# Altium PCB BMS_Slave_back.PcbDoc (part 1 of 2) (continued)
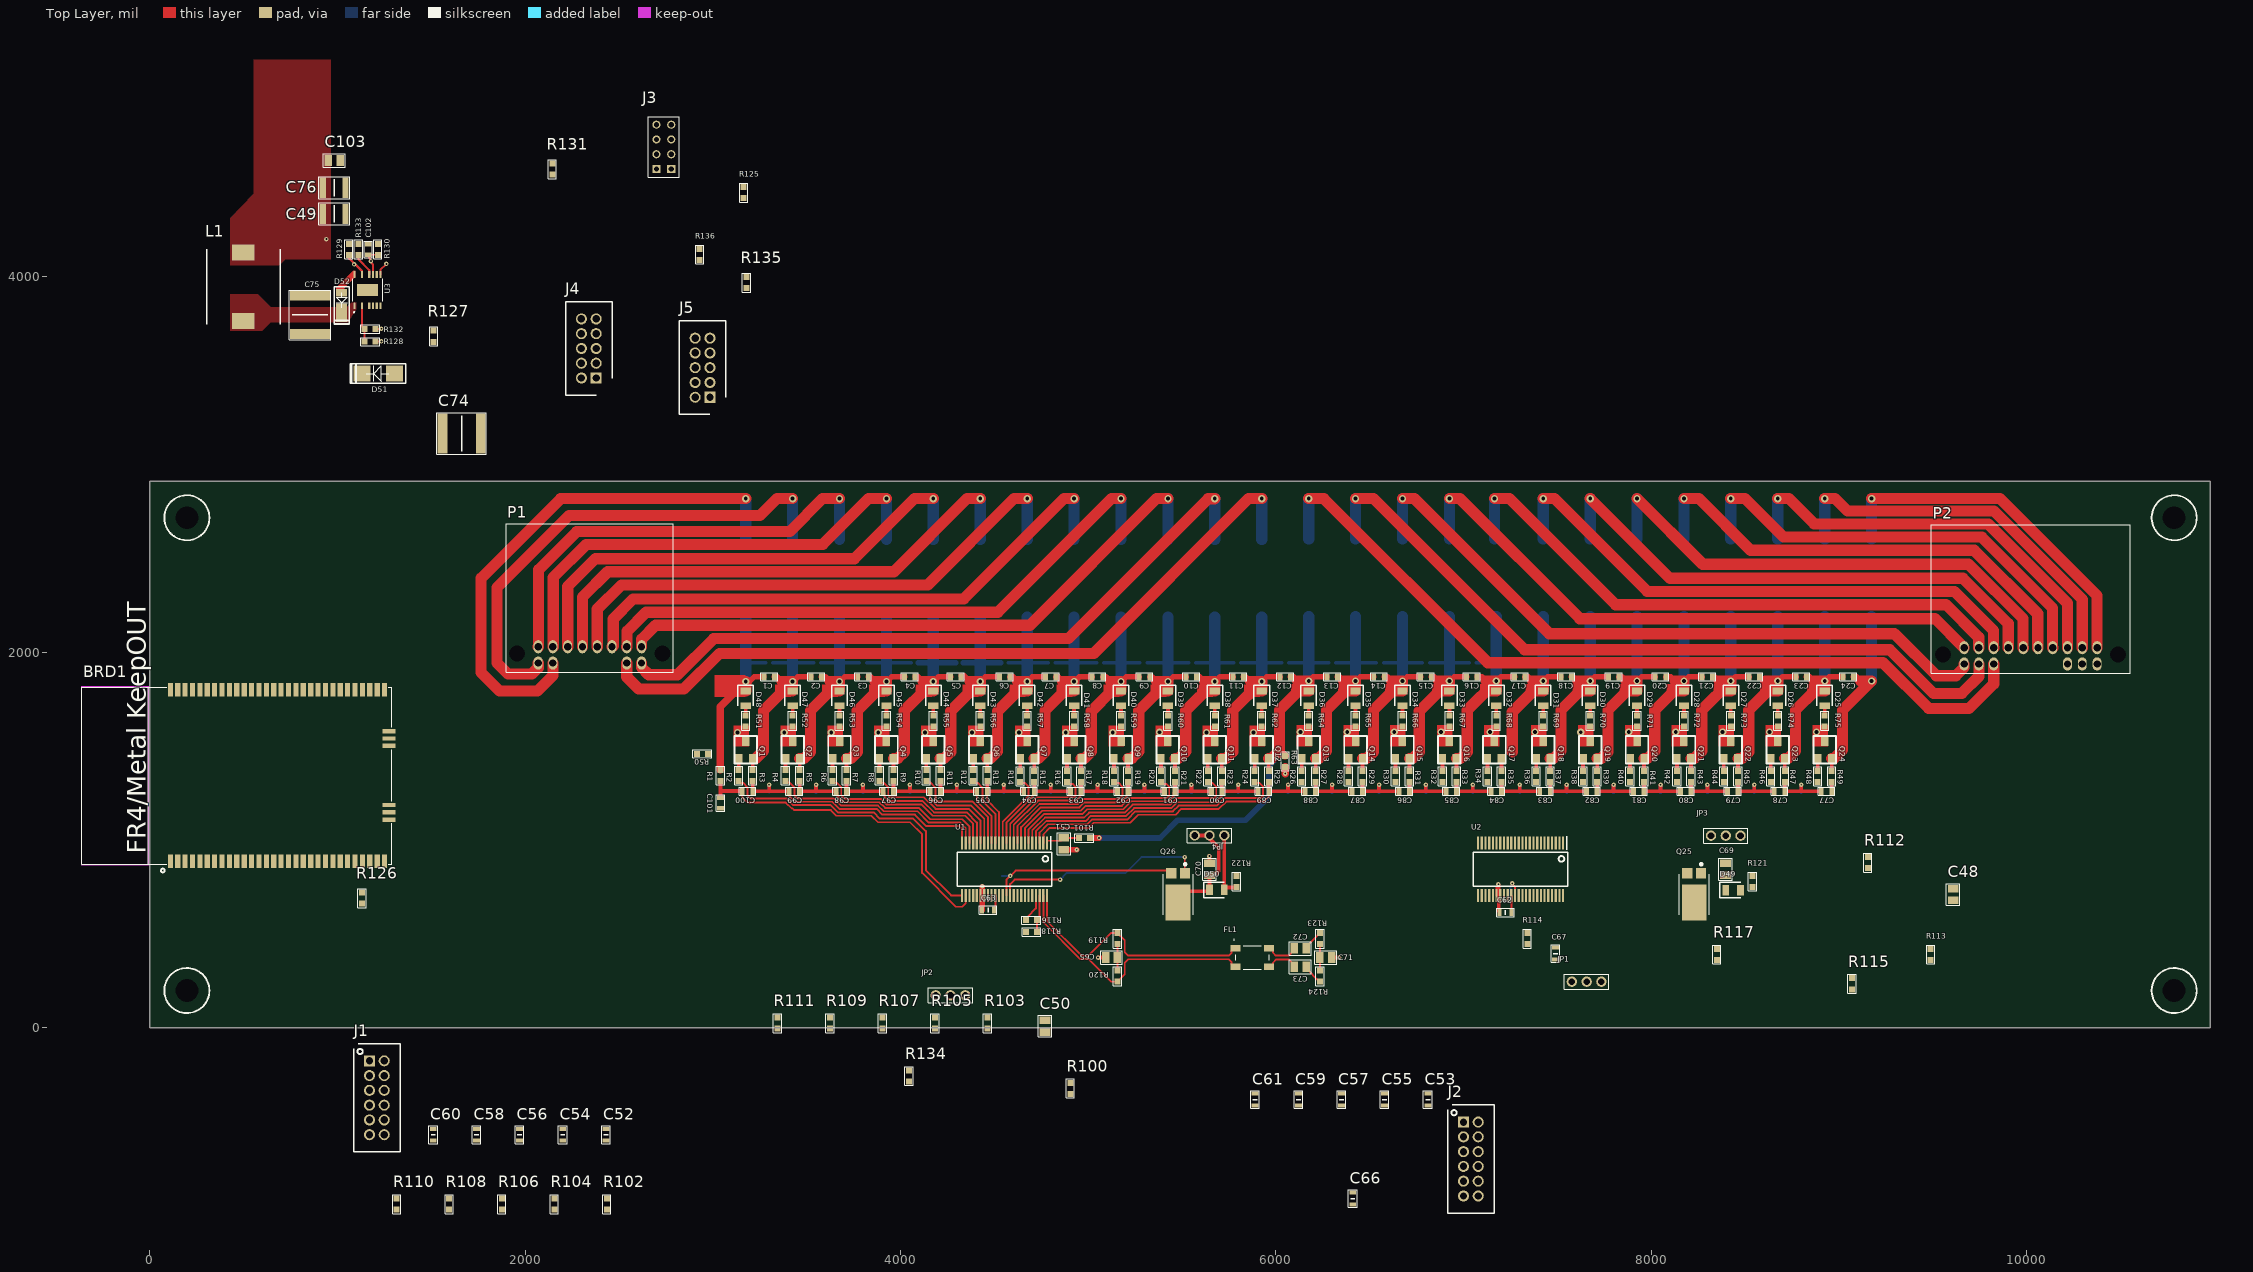
[diagram p0: Top Layer view]
## Part data
BRD1: "LTP5901, On-Chip Antena, Wireless IP network mote/network manager, Dust & ADI"
C1 C2 C3 C4 C5 C6 C7 C8 C9 C10 C11 C12 C13 C14 C15 C16 C17 C18 C19 C20 C21 C22 C23 C24: "25V 0.1uF X7R 0603 10%, MLCC", Arrow Part Number=C0805C104M3RACTU, Manufacturer_Name=Kemet, Mouser Part Number=80-C0805C104M3R, Arrow Price/Stock=https://www.arrow.com/en/products/c0805c104m3ractu/kemet-corporation, ComponentLink1Description=Mouser, ComponentLink1URL=https://www.mouser.tw/ProductDetail/KEMET/C0805C104M3RACTU?qs=sGAEpiMZZMukHu%252BjC5l7YdnN1Wy6sJLhD140JK5D3sc%3D, Datasheet Link=https://content.kemet.com/datasheets/KEM_C1091_C0G_ESD.pdf, Height=1.4mm, Manufacturer_Part_Number=C0805C104M3RACTU, Mouser Price/Stock=https://www.mouser.co.uk/ProductDetail/KEMET/C0805C104M3RACTU?qs=jbCUrP3sAgSIdMuvv9W4Pg%3D%3D
C25 C26 C27 C28 C29 C30 C31 C32 C33 C34 C35 C36 C37 C38 C39 C40 C41 C42 C43 C44 C45 C46 C47 C48 C50 C51 C65 C69 C70 C71 C72 C73 C103: library part C0805C103K2RACTU, "Capacitor", Manufacturer_Name=Kemet, Mouser Part Number=80-C0805C103K2R, Arrow Part Number=C0805C103K2RACTU, Arrow Price/Stock=https://www.arrow.com/en/products/c0805c103k2ractu/kemet-corporation, Datasheet Link=http://docs-emea.rs-online.com/webdocs/1515/0900766b8151517e.pdf, Height=0.88mm, Manufacturer_Part_Number=C0805C103K2RACTU, Mouser Price/Stock=https://www.mouser.com/Search/Refine.aspx?Keyword=80-C0805C103K2R
C49 C76: "Capacitor", Manufacturer_Name="Murata Electronics", Mouser Part Number=81-GRM32ER61A107ME0L, Arrow Part Number=GRM32ER61A107ME20L, Arrow Price/Stock=https://www.arrow.com/en/products/grm32er61a107me20l/murata-manufacturing, ComponentLink1Description=Mouser, ComponentLink1URL=https://www.mouser.tw/ProductDetail/Murata-Electronics/GRM32ER61A107ME20L?qs=QRVci0nWsCb7NlWFDLlBHA%3D%3D, ComponentLink2Description=Alternative, ComponentLink2URL=https://www.mouser.tw/ProductDetail/Murata-Electronics/GRM32ER61A107ME20L?qs=QRVci0nWsCb7NlWFDLlBHA%3D%3D, Datasheet Link=https://www.murata.com/en-global/api/pdfdownloadapi?cate=luCeramicCapacitorsSMD&partno=GRM32ER61A107ME20%23, Height=2.7mm, Manufacturer_Part_Number=GRM32ER61A107ME20L, Mouser Price/Stock=https://www.mouser.co.uk/ProductDetail/Murata-Electronics/GRM32ER61A107ME20L?qs=QRVci0nWsCb7NlWFDLlBHA%3D%3D
C52 C53 C54 C55 C56 C57 C58 C59 C60 C61 C62 C63 C64 C66 C67 C68: "0603 25V 1uF X7R 10% AEC-Q200", Arrow Part Number=CGA3E1X7R1C105K080AC, Manufacturer_Name=TDK, Mouser Part Number=810-CGA3E1X7R1C105AC, Arrow Price/Stock=https://www.arrow.com/en/products/cga3e1x7r1c105k080ac/tdk, ComponentLink1Description=Mouser, ComponentLink1URL=https://www.mouser.tw/ProductDetail/TDK/CGA3E1X7R1E105K080AC?qs=NRhsANhppD9VxGl2AsmRpw%3D%3D, Datasheet Link=http://docs-emea.rs-online.com/webdocs/14e9/0900766b814e9125.pdf, Height=0.9mm, Manufacturer_Part_Number=CGA3E1X7R1C105K080AC, Mouser Price/Stock=https://www.mouser.co.uk/ProductDetail/TDK/CGA3E1X7R1C105K080AC?qs=XHchNesRtUbBVNsGg9%252BP9g%3D%3D
C74 C75: "250V 1uF X7R 2220 10%, MLCC", Manufacturer_Name=Kemet, Mouser Part Number=80-C2220C105KARAUTO, Arrow Part Number=C2220C105KARACAUTO, Arrow Price/Stock=https://www.arrow.com/en/products/c2220c105karacauto/kemet-corporation, ComponentLink1Description=Mouser, ComponentLink1URL=https://www.mouser.tw/ProductDetail/KEMET/C2220C105KARACAUTO?qs=%2Fha2pyFaduhp05YE4c39qqmiVsJFV0OzfRZuT1KNvv9TmDumwlg0CjvL39eg1NgM, Datasheet Link=https://componentsearchengine.com/Datasheets/1/C2220C105KARACAUTO.pdf, Height=1.65mm, Manufacturer_Part_Number=C2220C105KARACAUTO, Mouser Price/Stock=https://www.mouser.co.uk/ProductDetail/KEMET/C2220C105KARACAUTO?qs=QXapti0WIWKFdii6of65gg%3D%3D
C77 C78 C79 C80 C81 C82 C83 C84 C85 C86 C87 C88 C89 C90 C91 C92 C93 C94 C95 C96 C97 C98 C99 C100 C101 C102: library part C0603C103K2RECTU, "200V, 0.01uF, 0603, X7R, 10%, Capacitor", Manufacturer_Name=Kemet, Manufacturer_Part_Number=C0805X103M2RACAUTO, Mouser Part Number=80-C0805X103M2RAUTO, ComponentLink1Description=Mouser, ComponentLink1URL=https://www.mouser.tw/ProductDetail/KEMET/C0603C103K2RECTU?qs=Mv7BduZupUj%2FMy3Zlcu2KQ%3D%3D, Datasheet Link=https://eu.mouser.com/datasheet/2/212/1/KEM_C1078_X7R_FT-CAP_AUTO_SMD-1103315.pdf, Height=0.98mm, Mouser Price/Stock=https://www.mouser.co.uk/ProductDetail/KEMET/C0805X103M2RACAUTO?qs=W%2FMpXkg%252BdQ50YX0BoZGkVA%3D%3D
D1 D2 D3 D4 D5 D6 D7 D8 D9 D10 D11 D12 D13 D14 D15 D16 D17 D18 D19 D20 D21 D22 D23 D24: "TVS Diode (Uni-directional)", Manufacturer_Name="ON Semiconductor", Mouser Part Number=863-SZESD9101P2T5G, Arrow Part Number=SZESD9101P2T5G, Arrow Price/Stock=https://www.arrow.com/en/products/szesd9101p2t5g/on-semiconductor, Datasheet Link=http://www.onsemi.com/pub/Collateral/ESD9101-D.PDF, Height=0.4mm, Manufacturer_Part_Number=SZESD9101P2T5G, Mouser Price/Stock=https://www.mouser.co.uk/ProductDetail/ON-Semiconductor/SZESD9101P2T5G?qs=5aG0NVq1C4yTUV3vL3eSQg%3D%3D
D25 D26 D27 D28 D29 D30 D31 D32 D33 D34 D35 D36 D37 D38 D39 D40 D41 D42 D43 D44 D45 D46 D47 D48 D49 D50: "LED", Manufacturer_Name="ROHM Semiconductor", Mouser Part Number=755-SML-210VTT86, RS Part Number=7007893P, Allied_Number=70522026, Allied Price/Stock=https://www.alliedelec.com/rohm-semiconductor-sml-210vtt86/70522026/, Datasheet Link=https://componentsearchengine.com/Datasheets/1/SML-210VTT86.pdf, Height=0.8mm, Manufacturer_Part_Number=SML-210VTT86, Mouser Price/Stock=https://www.mouser.com/Search/Refine.aspx?Keyword=755-SML-210VTT86, RS Price/Stock=http://uk.rs-online.com/web/p/products/7007893P
D51: "Diode", Manufacturer_Name=Shikues, Datasheet Link=https://datasheet.lcsc.com/szlcsc/SK-1N4007_C126233.pdf, Height=2.42mm, Manufacturer_Part_Number=1N4007
D52: library part SBR1U200P1, "Flyback Diode", Manufacturer_Name=Shikues, Manufacturer_Part_Number=1N4007, ComponentLink1Description="Original Part: Mouser", ComponentLink1URL=https://www.mouser.com/datasheet/2/115/SBR1U200P1-464839.pdf, ComponentLink2Description="Replacement Part:SBR1A400P1 Vrrm=400V", ComponentLink2URL=https://www.mouser.tw/ProductDetail/Diodes-Incorporated/SBR1A400P1-7?qs=MNIFWdyJgbpQNnU%2FsiKFgA%3D%3D, Datasheet Link=https://datasheet.lcsc.com/szlcsc/SK-1N4007_C126233.pdf, Height=2.42mm
F1 F2 F3 F4 F5 F6 F7 F8 F9 F10 F11 F12 F13 F14 F15 F16 F17 F18 F19 F20 F21 F22 F23 F24 F25: "Fuse", Manufacturer_Name=LITTELFUSE, Mouser Part Number=576-0885001.DR, Arrow Part Number=0885001.DR, Arrow Price/Stock=https://www.arrow.com/en/products/0885001.dr/littelfuse, Datasheet Link=https://m.littelfuse.com/~/media/electronics/datasheets/fuses/littelfuse_fuse_885_datasheet.pdf.pdf, Height=4.88mm, Manufacturer_Part_Number=0885001.DR, Mouser Price/Stock=https://www.mouser.co.uk/ProductDetail/Littelfuse/0885001DR/?qs=r5DSvlrkXmKVcuud9wy%2Flg%3D%3D
FL1: "Filter", Manufacturer_Name=TDK, Mouser Part Number=810-ACT45B1012PTL003, Arrow Part Number=ACT45B-101-2P-TL003, Arrow Price/Stock=https://www.arrow.com/en/products/act45b-101-2p-tl003/tdk, Datasheet Link=https://componentsearchengine.com/Datasheets/2/ACT45B-101-2P-TL003.pdf, Height=3mm, Manufacturer_Part_Number=ACT45B-101-2P-TL003, Mouser Price/Stock=https://www.mouser.co.uk/ProductDetail/TDK/ACT45B-101-2P-TL003?qs=SKgu1TwNDxoLFWvwfqJuJA%3D%3D
J1 J2: "Connector", Manufacturer_Name=Molex, Mouser Part Number=538-87831-1220, ComponentLink1Description=Mouser, ComponentLink1URL=https://www.mouser.tw/ProductDetail/Molex/87831-1220?qs=ZD3%252BwFPSULxSWc7O5pIOcA%3D%3D, Datasheet Link=http://docs-emea.rs-online.com/webdocs/150d/0900766b8150deae.pdf, Height=6.4mm, Manufacturer_Part_Number=87831-1220, Mouser Price/Stock=https://www.mouser.co.uk/ProductDetail/Molex/87831-1220?qs=ZD3%252BwFPSULxSWc7O5pIOcA%3D%3D
J3: "2x4 Connector", Manufacturer_Name=Molex, Mouser Part Number=538-79107-7203, Datasheet Link=https://www.molex.com/pdm_docs/sd/791077002_sd.pdf, Height=4.44mm, Manufacturer_Part_Number=79107-7203, Mouser Price/Stock=https://www.mouser.com/Search/Refine.aspx?Keyword=538-79107-7203
J4 J5: "Connector", Manufacturer_Name=Molex, Mouser Part Number=538-87831-1020, ComponentLink1Description=Mouser, ComponentLink1URL=https://www.mouser.tw/ProductDetail/Molex/87831-1020?qs=sGAEpiMZZMvlX3nhDDO4ALOty1HZ%252Bs%252BngO6zIVHY%252BW4%3D, Datasheet Link=http://docs-emea.rs-online.com/webdocs/150d/0900766b8150deae.pdf, Height=6.4mm, Manufacturer_Part_Number=87831-1020, Mouser Price/Stock=https://www.mouser.co.uk/ProductDetail/Molex/87831-1020?qs=8PELaTI4Pt8k%2F%2FV9vKeYIg%3D%3D
JP1 JP2 JP3 JP4: "2mm, 3POS Jumper Socket", Manufacturer_Name="TE Connectivity", Mouser Part Number=571-2355045-3, Datasheet Link=https://www.te.com/commerce/DocumentDelivery/DDEController?Action=showdoc&DocId=Customer+Drawing%7F2355045%7FA%7Fpdf%7FEnglish%7FENG_CD_2355045_A.pdf%7F2355045-6, Height=5.5mm, Manufacturer_Part_Number=2355045-3, Mouser Price/Stock=https://www.mouser.co.uk/ProductDetail/TE-Connectivity/2355045-3/?qs=Cb2nCFKsA8pFN07a8M%2F2vA%3D%3D
L1: "Inductor", Manufacturer_Name=Sumida, Manufacturer_Part_Number=CDRH105RNP-471NC, Mouser Part Number=N/A, ComponentLink1Description=Mouser, ComponentLink1URL=https://www.mouser.tw/ProductDetail/Sumida/CDRH105RNP-151NC?qs=%2Fha2pyFaduiJIMvrc5b4XXz5GT12RxEPNnLjqkAx5ifyKMqa%252B10q805zZNUP4vKq, ComponentLink2Description=Datasheet, ComponentLink2URL=https://www.mouser.tw/datasheet/2/390/CDRH105R-465909.pdf, Datasheet Link=http://www.mouser.com/datasheet/2/390/CDRH105R-465909.pdf, Height=5.1mm, Mouser Price/Stock=https://www.mouser.com/Search/Refine.aspx?Keyword=N%2FA
P1: library part 34826-0125, "Molex Mini50, 12ckt"
P2: library part 34826-0160, "Molex Mini50, 16ckt"
Q1 Q2 Q3 Q4 Q5 Q6 Q7 Q8 Q9 Q10 Q11 Q12 Q13 Q14 Q15 Q16 Q17 Q18 Q19 Q20 Q21 Q22 Q23 Q24: "MOSFET (P-Channel)", Manufacturer_Name=Infineon, Manufacturer_Part_Number="BSS308PE H6327", Mouser Part Number=726-BSS308PEH6327, Datasheet Link="https://componentsearchengine.com/Datasheets/1/BSS308PE H6327.pdf", Height=1.1mm, Mouser Price/Stock=https://www.mouser.co.uk/ProductDetail/Infineon-Technologies/BSS308PE-H6327/?qs=oPPfIaWL1l0trIaeR9VW8A%3D%3D
Q25 Q26: "Transistor BJT NPN", Manufacturer_Name="Diodes Inc.", Mouser Part Number=522-DXT5551P5-13, Arrow Part Number=DXT5551P5-13, Arrow Price/Stock=https://www.arrow.com/en/products/dxt5551p5-13/diodes-incorporated, Datasheet Link=https://www.diodes.com/assets/Datasheets/DXT5551P5.pdf, Manufacturer_Part_Number=DXT5551P5-13, Mouser Price/Stock=https://www.mouser.co.uk/ProductDetail/Diodes-Incorporated/DXT5551P5-13?qs=pmB%252BthhaMeURGx362MbdPw%3D%3D
R1 R2 R3 R4 R5 R6 R7 R8 R9 R10 R11 R12 R13 R14 R15 R16 R17 R18 R19 R20 R21 R22 R23 R24 R25 R26 R27 R28 R29 R30 R31 R32 R33 R34 R35 R36 R37 R38 R39 R40 R41 R42 R43 R44 R45 R46 R47 R48 R49 R50 R51 R52 R53 R54 R55 R56 R57 R58 R59 R60 R61 R62 R63 R64 R65 R66 R67 R68 R69 R70 R71 R72 R73 R74 R75 R113 R116 R117 R118: library part CRCW060310K0FKEAC, "Res Thick Film 0603 1/8W ±100ppm/°C Molded SMD Paper T/R", Case/Package=0805, Manufacturer=Vishay, Manufacturer Part Number=CRCW080510K0FKEAC, Power Rating=125mW, Resistance=10000R, Tolerance=1%, ComponentLink1Description=http://www.vishay.com/docs/28773/crcwce3.pdf?src-supplier=Digi-Key, ComponentLink1URL=http://www.vishay.com/docs/28773/crcwce3.pdf?src-supplier=Digi-Key, ComponentLink2Description=http://datasheet.octopart.com/CRCW080510K0FKEAC-Vishay-datasheet-100063072.pdf?src-supplier=Future+Electronics, ComponentLink2URL=http://datasheet.octopart.com/CRCW080510K0FKEAC-Vishay-datasheet-100063072.pdf?src-supplier=Future+Electronics, Lead Free="Lead Free"
R76 R77 R78 R79 R80 R81 R82 R83 R84 R85 R86 R87 R88 R89 R90 R91 R92 R93 R94 R95 R96 R97 R98 R99: "33Ohm, 1%, 1W, Resistor", Manufacturer_Name=Vishay, Arrow Part Number=CRCW251233R0FKEG, Arrow Price/Stock=https://www.arrow.com/en/products/crcw251233r0fkeg/vishay, Datasheet Link=http://www.vishay.com/docs/20035/dcrcwe3.pdf, Height=0.7mm, Manufacturer_Part_Number=CRCW251233R0FKEG
R100 R101 R102 R103 R104 R105 R106 R107 R108 R109 R110 R111 R112 R114 R115 R119 R120 R121 R122 R123 R124 R125 R126 R127 R128 R129 R130 R131 R132 R133 R134 R135 R136: "Res Thick Film 0603 1/8W ±100ppm/°C Molded SMD Paper T/R", Case/Package=0805, Manufacturer=Vishay, Manufacturer Part Number=CRCW080510K0FKEAC, Power Rating=125mW, Resistance=10000R, Tolerance=1%, ComponentLink1Description=http://www.vishay.com/docs/28773/crcwce3.pdf?src-supplier=Digi-Key, ComponentLink1URL=http://www.vishay.com/docs/28773/crcwce3.pdf?src-supplier=Digi-Key, ComponentLink2Description=http://datasheet.octopart.com/CRCW080510K0FKEAC-Vishay-datasheet-100063072.pdf?src-supplier=Future+Electronics, ComponentLink2URL=http://datasheet.octopart.com/CRCW080510K0FKEAC-Vishay-datasheet-100063072.pdf?src-supplier=Future+Electronics, Lead Free="Lead Free"
U1 U2: "Integrated Circuit", Manufacturer_Name="Linear Technology", Supplier Part Number 1=LTC6811IG-1#PBF, Datasheet Link=http://cds.linear.com/docs/en/datasheet/68111fb.pdf, Height=2mm, Manufacturer_Part_Number=LTC6811-1, Supplier 1=Mouser
U3: "Integrated Circuit", Arrow Part Number=LTC7138EMSE#PBF, Manufacturer_Name="Analog Devices", Arrow Price/Stock=https://www.arrow.com/en/products/ltc7138emsepbf/analog-devices, Datasheet Link=https://www.arrow.com/en/products/ltc7138emsepbf/analog-devices, Height=1.1mm, Manufacturer_Part_Number=LTC7138EMSE#PBF

## Free pads (board coordinates)
  round 0 hole 122.05 mask+1.97: 0(196.85,196.85) 0(196.85,2716.54) 0(10787.4,196.85) 0(10787.4,2716.54)

## Via types
v1: diameter 39/40/40 (per signal layer), hole 20, Top Layer to Bottom Layer, 72 vias
v2: diameter 24, hole 10, Top Layer to Bottom Layer, 42 vias
v3: diameter 39/39/39 (per signal layer), hole 20, Top Layer to Bottom Layer, 1 vias
v4: diameter 39, hole 20, Top Layer to Bottom Layer, 1 vias

## Nets (pads, with @x,y where several pads share a name; then routed paths per layer and width w, separated by ;. In a path a pad name is that pad's centre, name@x,y a point inside that pad or via, vN(x,y) a via of type N, cw(c..) or ccw(c..) an arc to the next point about the centre after c; other vN are vias at no path point)
3.3V: C49.1 C76.1 C103.1 J3.A1 J4.10 J5.7 L1.2 R125.2 R126.1 R135.1 R136.1 U3.9 | length 68.6
  Top Layer w10: U3.9@1228.35,4012.95 1228.35,4037.2 v2@1259.68,4068.54
  other v2: 1260.1,4069.54 940.95,4201.63
+5: C68.1 JP2.1 Q26.2 U1.37 | length 1032.6
  Top Layer w10: U1.37@4564.25,703.9 4564.25,787.91 4613,836.66 5426.82,836.66 5441.04,822.44 Q26.2@5443.24,822.44
  Bottom Layer w10: C68.1@4541.46,807.52 v2(4585,807.52)
C0: C100.2 C101.1 R1.1 U1.26 | length 1839.6
  Top Layer w10: C100.2@3156.4,1260.66 C100.2@3156.4,1258.66 3156.4,1227.26 3185,1198.66 3389.52,1198.66 3421,1167.18 3425,1167.18 3433.52,1158.66 3628.61,1158.66 3658.61,1128.66 3845,1128.66 3880,1093.66 4050.46,1093.66 4115,1029.13 4115,823.66 4295,643.66 4330,643.66 4347.72,661.38 U1.26@4347.72,703.9
  Top Layer w20: C101.1@3040,1224.66 3040,1260.66 C100.2@3156.4,1260.66 ; 3040,1263.66 R1.1@3040,1314.16
C1: C25.1 C99.2 C100.1 R3.1 U1.24 | length 1415.2
  Top Layer w10: C99.2@3406.4,1258.66 3406.4,1234.46 3437.68,1203.18 3635,1203.18 3673.52,1164.66 3872.54,1164.66 3902.54,1134.66 4077,1134.66 4138,1073.66 4313.5,1073.66 4328.03,1059.13 U1.24@4328.03,983.43
  Top Layer w20: R3.1@3212.4,1314.16 C100.1@3212.4,1258.66 3300,1258.66 ; v2(3300,1293.66) 3300,1258.66 ; C99.2@3406.4,1258.66 3300,1258.66
  Bottom Layer w20: C25.1@3300,1257.08 v2(3300,1293.66)
C2: C26.1 C98.2 C99.1 R5.1 U1.22 | length 1211.4
  Top Layer w10: C98.2@3656.4,1258.66 3664.4,1250.66 3664.4,1231.32 3695.06,1200.66 3887.54,1200.66 3917.54,1170.66 4098,1170.66 4159,1109.66 4330.12,1109.66 4367.4,1072.38 U1.22@4367.4,983.43
  Top Layer w20: R5.1@3462.4,1314.16 C99.1@3462.4,1258.66 3550,1258.66 ; v2(3550,1293.66) 3550,1258.66 ; C98.2@3656.4,1258.66 3550,1258.66
  Bottom Layer w20: C26.1@3550,1255.16 v2(3550,1293.66)
C3: C27.1 C97.2 C98.1 R7.1 U1.20 | length 1012.3
  Top Layer w10: C97.2@3906.4,1258.66 3914.4,1250.66 3914.4,1231.32 3939.06,1206.66 4118.46,1206.66 4178.46,1146.66 4352.17,1146.66 4406.77,1092.06 U1.20@4406.77,983.43
  Top Layer w20: R7.1@3712.4,1314.16 C98.1@3712.4,1258.66 3800,1258.66 ; v2(3800,1293.66) 3800,1258.66 ; C97.2@3906.4,1258.66 3800,1258.66
  Bottom Layer w20: C27.1@3800,1255.16 v2(3800,1293.66)
C4: C28.1 C96.2 C97.1 R9.1 U1.18 | length 824.5
  Top Layer w10: C96.2@4156.4,1258.66 4156.4,1220.86 4194.6,1182.66 4376,1182.66 4446.14,1112.52 U1.18@4446.14,983.43
  Top Layer w20: R9.1@3962.4,1314.16 C97.1@3962.4,1258.66 4050,1258.66 ; v2(4050,1293.66) 4050,1258.66 ; C96.2@4156.4,1258.66 4050,1258.66
  Bottom Layer w20: C28.1@4050,1255.16 v2(4050,1293.66)
C5: C29.1 C95.2 C96.1 R11.1 U1.16 | length 633.1
  Top Layer w10: C95.2@4406.4,1258.66 4406.4,1204.89 4485.51,1125.78 U1.16@4485.51,983.43
  Top Layer w20: R11.1@4212.4,1314.16 C96.1@4212.4,1258.66 4295,1258.66 ; v2(4300,1293.66) 4299.23,1292.9 4299.23,1262.9 4295,1258.66 ; C95.2@4406.4,1258.66 4295,1258.66
  Bottom Layer w20: C29.1@4300,1255.16 v2(4300,1293.66)
C6: C30.1 C94.2 C95.1 R13.1 U1.14 | length 624.1
  Top Layer w10: C95.1@4462.4,1258.66 4462.4,1210.26 4524.88,1147.78 U1.14@4524.88,983.43
  Top Layer w20: R13.1@4462.4,1314.16 C95.1@4462.4,1258.66 4550,1258.66 ; v2(4550,1293.66) 4550,1258.66 ; C94.2@4656.4,1258.66 4550,1258.66
  Bottom Layer w20: C30.1@4550,1255.16 v2(4550,1293.66)
C7: C31.1 C93.2 C94.1 R15.1 U1.12 | length 654.6
  Top Layer w10: U1.12@4564.25,983.43 4564.25,1091.17 4700.4,1227.32 4700.4,1227.44 4711.04,1238.07 4711.04,1257.3 C94.1@4712.4,1258.66
  Top Layer w20: R15.1@4712.4,1309.16 C94.1@4712.4,1258.66 4800,1258.66 ; v2(4800,1293.66) 4800,1258.66 ; C93.2@4906.4,1258.66 4800,1258.66
  Bottom Layer w20: C31.1@4800,1255.16 v2(4800,1293.66)
C8: C32.1 C92.2 C93.1 R17.1 U1.10 | length 860.4
  Top Layer w10: U1.10@4603.62,983.43 4603.62,1079.63 4733.15,1209.16 4935.5,1209.16 4961.5,1235.16 4961.5,1257.76 C93.1@4962.4,1258.66
  Top Layer w20: R17.1@4962.4,1309.16 C93.1@4962.4,1258.66 5050,1258.66 ; v2(5050,1293.66) 5050,1258.66 ; C92.2@5156.4,1258.66 5050,1258.66
  Bottom Layer w20: C32.1@5050,1255.16 v2(5050,1293.66)
C9: C33.1 C91.2 C92.1 R19.1 U1.8 | length 1062.3
  Top Layer w10: U1.8@4642.99,983.43 4642.99,1068.09 4748.07,1173.16 4953.55,1173.16 4979.77,1199.38 5172.46,1199.38 5212.4,1239.32 C92.1@5212.4,1258.66
  Top Layer w20: R19.1@5212.4,1309.16 C92.1@5212.4,1258.66 5300,1258.66 ; v2(5300,1293.66) 5300,1258.66 ; C91.2@5406.4,1258.66 5300,1258.66
  Bottom Layer w20: C33.1@5300,1255.16 v2(5300,1293.66)
C10: C34.1 C90.2 C91.1 R21.1 U1.6 | length 1266.2
  Top Layer w10: U1.6@4682.36,983.43 4682.36,1056.55 4762.98,1137.16 4968.46,1137.16 4994.68,1163.38 5187.37,1163.38 5229.65,1205.66 5428.74,1205.66 5454.4,1231.32 5454.4,1250.66 C91.1@5462.4,1258.66
  Top Layer w20: R21.1@5462.4,1309.16 C91.1@5462.4,1258.66 5550,1258.66 ; v2(5550,1293.66) 5550,1258.66 ; C90.2@5656.4,1258.66 5550,1258.66
  Bottom Layer w20: C34.1@5550,1255.16 v2(5550,1293.66)
C11: C35.1 C89.2 C90.1 R23.1 U1.4 | length 1472.8
  Top Layer w10: U1.4@4721.73,983.43 4721.73,1045.01 4777.89,1101.16 4988.79,1101.16 5015,1127.38 5202.28,1127.38 5244.57,1169.66 5443.65,1169.66 5474.65,1200.66 5678.44,1200.66 5712.4,1234.63 C90.1@5712.4,1258.66
  Top Layer w20: R23.1@5712.4,1309.16 C90.1@5712.4,1258.66 5800,1258.66 ; v2(5800,1293.66) 5800,1258.66 ; C89.2@5906.4,1258.66 5800,1258.66
  Bottom Layer w20: C35.1@5800,1255.16 v2(5800,1293.66)
C12: C36.1 C88.2 C89.1 R25.1 U1.2 U2.26 | length 1676.5
  Top Layer w10: U1.2@4760.73,983.8 U1.2@4761.1,983.43 4761.1,1028.66 4796.1,1063.66 5002.29,1063.66 5030,1091.38 5223.71,1091.38 5266,1133.66 5465.91,1133.66 5496.91,1164.66 5696,1164.66 5735.71,1204.38 5935.71,1204.38 5962.4,1231.06 C89.1@5962.4,1258.66
  Top Layer w20: R25.1@5962.4,1309.16 C89.1@5962.4,1258.66 6065,1258.66 ; v2(6065,1293.66) 6065,1258.66 ; C88.2@6156.4,1258.66 6065,1258.66
  Bottom Layer w20: C36.1@6065,1255.16 v2(6065,1293.66)
C13: C37.1 C87.2 C88.1 R27.1 U2.24 | length 320.1
  Top Layer w20: R27.1@6212.4,1309.16 C88.1@6212.4,1258.66 6295,1258.66 ; v2(6300,1293.66) 6299.23,1292.9 6299.23,1262.9 6295,1258.66 ; C87.2@6406.4,1258.66 6295,1258.66
  Bottom Layer w20: C37.1@6300,1255.16 v2(6300,1293.66)
C14: C38.1 C86.2 C87.1 R29.1 U2.22 | length 320.1
  Top Layer w20: R29.1@6462.4,1309.16 C87.1@6462.4,1258.66 6545,1258.66 ; v2(6550,1293.66) 6549.23,1292.9 6549.23,1262.9 6545,1258.66 ; C86.2@6656.4,1258.66 6545,1258.66
  Bottom Layer w20: C38.1@6550,1255.16 v2(6550,1293.66)
C15: C39.1 C85.2 C86.1 R31.1 U2.20 | length 320.1
  Top Layer w20: R31.1@6712.4,1309.16 C86.1@6712.4,1258.66 6795,1258.66 ; v2(6800,1293.66) 6799.23,1292.9 6799.23,1262.9 6795,1258.66 ; C85.2@6906.4,1258.66 6795,1258.66
  Bottom Layer w20: C39.1@6800,1255.16 v2(6800,1293.66)
C16: C40.1 C84.2 C85.1 R33.1 U2.18 | length 308
  Top Layer w20: R33.1@6962.4,1309.16 C85.1@6962.4,1258.66 7050,1258.66 ; v2(7050,1293.66) 7050,1258.66 ; C84.2@7146.4,1258.66 7050,1258.66
  Bottom Layer w20: C40.1@7050,1255.16 v2(7050,1293.66)
C17: C41.1 C83.2 C84.1 R35.1 U2.16 | length 328
  Top Layer w20: R35.1@7202.4,1309.16 C84.1@7202.4,1258.66 7300,1258.66 ; v2(7300,1293.66) 7300,1258.66 ; C83.2@7406.4,1258.66 7300,1258.66
  Bottom Layer w20: C41.1@7300,1255.16 v2(7300,1293.66)
C18: C42.1 C82.2 C83.1 R37.1 U2.14 | length 320.1
  Top Layer w20: R37.1@7462.4,1309.16 C83.1@7462.4,1258.66 7545,1258.66 ; v2(7550,1293.66) 7549.23,1292.9 7549.23,1262.9 7545,1258.66 ; C82.2@7656.4,1258.66 7545,1258.66
  Bottom Layer w20: C42.1@7550,1255.16 v2(7550,1293.66)
C19: C43.1 C81.2 C82.1 R39.1 U2.12 | length 318
  Top Layer w20: R39.1@7712.4,1309.16 C82.1@7712.4,1258.66 7800,1258.66 ; v2(7800,1293.66) 7800,1258.66 ; C81.2@7906.4,1258.66 7800,1258.66
  Bottom Layer w20: C43.1@7800,1255.16 v2(7800,1293.66)
C20: C44.1 C80.2 C81.1 R41.1 U2.10 | length 318
  Top Layer w20: R41.1@7962.4,1309.16 C81.1@7962.4,1258.66 8050,1258.66 ; v2(8050,1293.66) 8050,1258.66 ; C80.2@8156.4,1258.66 8050,1258.66
  Bottom Layer w20: C44.1@8050,1255.16 v2(8050,1293.66)
C21: C45.1 C79.2 C80.1 R43.1 U2.8 | length 318
  Top Layer w20: R43.1@8212.4,1309.16 C80.1@8212.4,1258.66 8300,1258.66 ; v2(8300,1293.66) 8300,1258.66 ; C79.2@8406.4,1258.66 8300,1258.66
  Bottom Layer w20: C45.1@8300,1255.16 v2(8300,1293.66)
C22: C46.1 C78.2 C79.1 R45.1 U2.6 | length 318
  Top Layer w20: R45.1@8462.4,1309.16 C79.1@8462.4,1258.66 8550,1258.66 ; v2(8550,1293.66) 8550,1258.66 ; C78.2@8656.4,1258.66 8550,1258.66
  Bottom Layer w20: C46.1@8550,1255.16 v2(8550,1293.66)
C23: C47.1 C77.2 C78.1 R47.1 U2.4 | length 318
  Top Layer w20: R47.1@8712.4,1309.16 C78.1@8712.4,1258.66 8800,1258.66 ; v2(8800,1293.66) 8800,1258.66 ; C77.2@8906.4,1258.66 8800,1258.66
  Bottom Layer w20: C47.1@8800,1255.16 v2(8800,1293.66)
C24: C48.1 C77.1 R49.1 U2.2 | length 50.5
  Top Layer w20: C77.1@8962.4,1258.66 R49.1@8962.4,1309.16
C\S\: BRD1.44 J3.B1 U1.41
CELL0: C1.2 D1.2 D48.1 F1.2 R1.2 R50.2 R76.2 | length 1133
  Top Layer w30: v1(3175,1843.66) 3195,1843.66 3220,1868.66 C1.2@3272,1868.66
  Top Layer w40: R1.2@3040,1373.16 3040,1708.66 v1(3175,1843.66)
  Top Layer w60: D48.1@3175,1793.03 v1(3175,1843.66)
  Bottom Layer w20: 3175,1943.66 D1.2@3280.31,1943.66
  Bottom Layer w60: v1(3175,1843.66) 3175,1943.66 F1.2@3175,2186.97
CELL1: C1.1 C2.2 D1.1 D2.2 D47.1 F2.2 Q1.2 R3.2 R77.2 | length 1392.8
  Top Layer w20: R3.2@3212.4,1373.16 Q1.2@3212.4,1433.39
  Top Layer w30: C1.1@3328,1868.66 3343.82,1868.66 3368.82,1843.66 ; v1(3425,1843.66) 3427.44,1843.66 3452.44,1868.66 C2.2@3522,1868.66
  Top Layer w40: Q1.2@3212.4,1433.39 Q1.2@3228.72,1433.39 ; D47.1@3425,1793.19 D47.1@3425.16,1793.03
  Top Layer w60: Q1.2@3228.72,1433.39 3270,1474.66 3270,1688.66 v1(3425,1843.66) ; 3368.82,1843.66 v1(3425,1843.66) ; D47.1@3425,1793.19 v1(3425,1843.66)
  Bottom Layer w20: D1.1@3319.69,1943.66 3425,1943.66 D2.2@3535.63,1943.66
  Bottom Layer w60: v1(3425,1843.66) 3425,1943.66 F2.2@3425,2186.97
CELL2: C2.1 C3.2 D2.1 D3.2 D46.1 F3.2 Q2.2 R5.2 R78.2 | length 1385.6
  Top Layer w20: R5.2@3462.4,1373.16 Q2.2@3462.4,1433.39
  Top Layer w30: C2.1@3578,1868.66 3600,1868.66 3625,1843.66 ; v1(3675,1843.66) 3677.44,1843.66 3702.44,1868.66 C3.2@3772,1868.66
  Top Layer w60: Q2.2@3462.4,1433.39 3484.72,1433.39 3520,1468.66 3520,1688.66 v1(3675,1843.66) ; 3625,1843.66 v1(3675,1843.66) ; D46.1@3675,1793.03 v1(3675,1843.66)
  Bottom Layer w20: D2.1@3575,1943.66 3675,1943.66 D3.2@3780.31,1943.66
  Bottom Layer w60: v1(3675,1843.66) 3675,1943.66 F3.2@3675,2186.97
CELL3: C3.1 C4.2 D3.1 D4.2 D45.1 F4.2 Q3.2 R7.2 R79.2 | length 1418.1
  Top Layer w20: R7.2@3712.4,1373.16 Q3.2@3712.4,1433.39
  Top Layer w30: C3.1@3828,1868.66 3840,1868.66 3865,1843.66 ; v1(3925,1843.66) 3927.44,1843.66 3952.44,1868.66 C4.2@4022,1868.66
  Top Layer w60: Q3.2@3712.4,1433.39 3734.85,1433.39 3770,1468.53 3770,1688.66 v1(3925,1843.66) ; 3865,1843.66 v1(3925,1843.66) ; D45.1@3925,1793.03 v1(3925,1843.66)
  Bottom Layer w20: D3.1@3819.69,1943.66 3920,1943.66 ; 3925,1948.66 3920,1943.66 ; D4.2@4055.31,1943.66 3925,1943.66 3920,1943.66
  Bottom Layer w60: v1(3925,1843.66) 3925,1943.66 ; 3925,1948.66 F4.2@3925,2186.97
CELL4: C4.1 C5.2 D4.1 D5.2 D44.1 F5.2 Q4.2 R9.2 R80.2 | length 1354.7
  Top Layer w20: R9.2@3962.4,1373.16 Q4.2@3962.4,1433.39
  Top Layer w30: C4.1@4078,1868.66 4095,1868.66 4120,1843.66 ; v1(4175,1843.66) 4177.44,1843.66 4202.44,1868.66 C5.2@4267,1868.66
  Top Layer w60: Q4.2@3962.4,1433.39 3984.85,1433.39 4020,1468.53 4020,1688.66 4124.37,1793.03 D44.1@4175,1793.03 v1(4175,1843.66) 4120,1843.66
  Bottom Layer w30: D4.1@4094.69,1943.66 4175,1943.66 D5.2@4295,1943.66
  Bottom Layer w60: v1(4175,1843.66) 4175,1943.66 F5.2@4175,2186.97
CELL5: C5.1 C6.2 D5.1 D6.2 D43.1 F6.2 Q5.2 R11.2 R81.2 | length 1369.7
  Top Layer w20: R11.2@4212.4,1373.16 Q5.2@4212.4,1433.39
  Top Layer w30: C5.1@4323,1873.66 4340,1873.66 4370,1843.66 ; v1(4425,1843.66) 4427.44,1843.66 4452.44,1868.66 C6.2@4527,1868.66
  Top Layer w60: Q5.2@4212.4,1433.39 4231.85,1433.39 4267,1468.53 4267,1685.66 4374.37,1793.03 D43.1@4425,1793.03 v1(4425,1843.66) 4370,1843.66
  Bottom Layer w30: D5.1@4335,1943.66 4425,1943.66 D6.2@4535,1943.66
  Bottom Layer w60: v1(4425,1843.66) 4425,1943.66 F6.2@4425,2186.97
CELL6: C6.1 C7.2 D6.1 D7.2 D42.1 F7.2 Q6.2 R13.2 R82.2 | length 1314.2
  Top Layer w20: R13.2@4462.4,1373.16 Q6.2@4462.4,1433.39
  Top Layer w30: C6.1@4583,1868.66 4600,1868.66 4625,1843.66 ; v1@4677.44,1843.66 4702.44,1868.66 C7.2@4772,1868.66
  Top Layer w60: Q6.2@4462.4,1433.39 4478.72,1433.39 4517,1471.66 4517,1685.66 4630,1798.66 ; 4625,1843.66 v1@4672.56,1843.66 ; D42.1@4675,1793.03 v1(4675,1843.66)
  Bottom Layer w20: D6.1@4574.37,1943.66 4675,1943.66 D7.2@4785.31,1943.66
  Bottom Layer w60: v1(4675,1843.66) 4675,1943.66 F7.2@4675,2186.97
CELL7: C7.1 C8.2 D7.1 D8.2 D41.1 F8.2 Q7.2 R15.2 R83.2 | length 1384.4
  Top Layer w20: R15.2@4712.4,1368.16 Q7.2@4712.4,1433.39
  Top Layer w30: C7.1@4828,1868.66 4840,1868.66 4865,1843.66 ; v1(4925,1843.66) 4927.44,1843.66 4952.44,1868.66 C8.2@5022,1868.66
  Top Layer w60: Q7.2@4712.4,1433.39 4733.72,1433.39 4770,1469.66 4770,1688.66 4874.37,1793.03 D41.1@4925,1793.03 v1(4925,1843.66) 4865,1843.66
  Bottom Layer w20: D7.1@4824.69,1943.66 4925,1943.66 D8.2@5045.31,1943.66
  Bottom Layer w60: v1(4925,1843.66) 4925,1943.66 F8.2@4925,2186.97